# KiCad board CPU.kicad_pcb (continued)
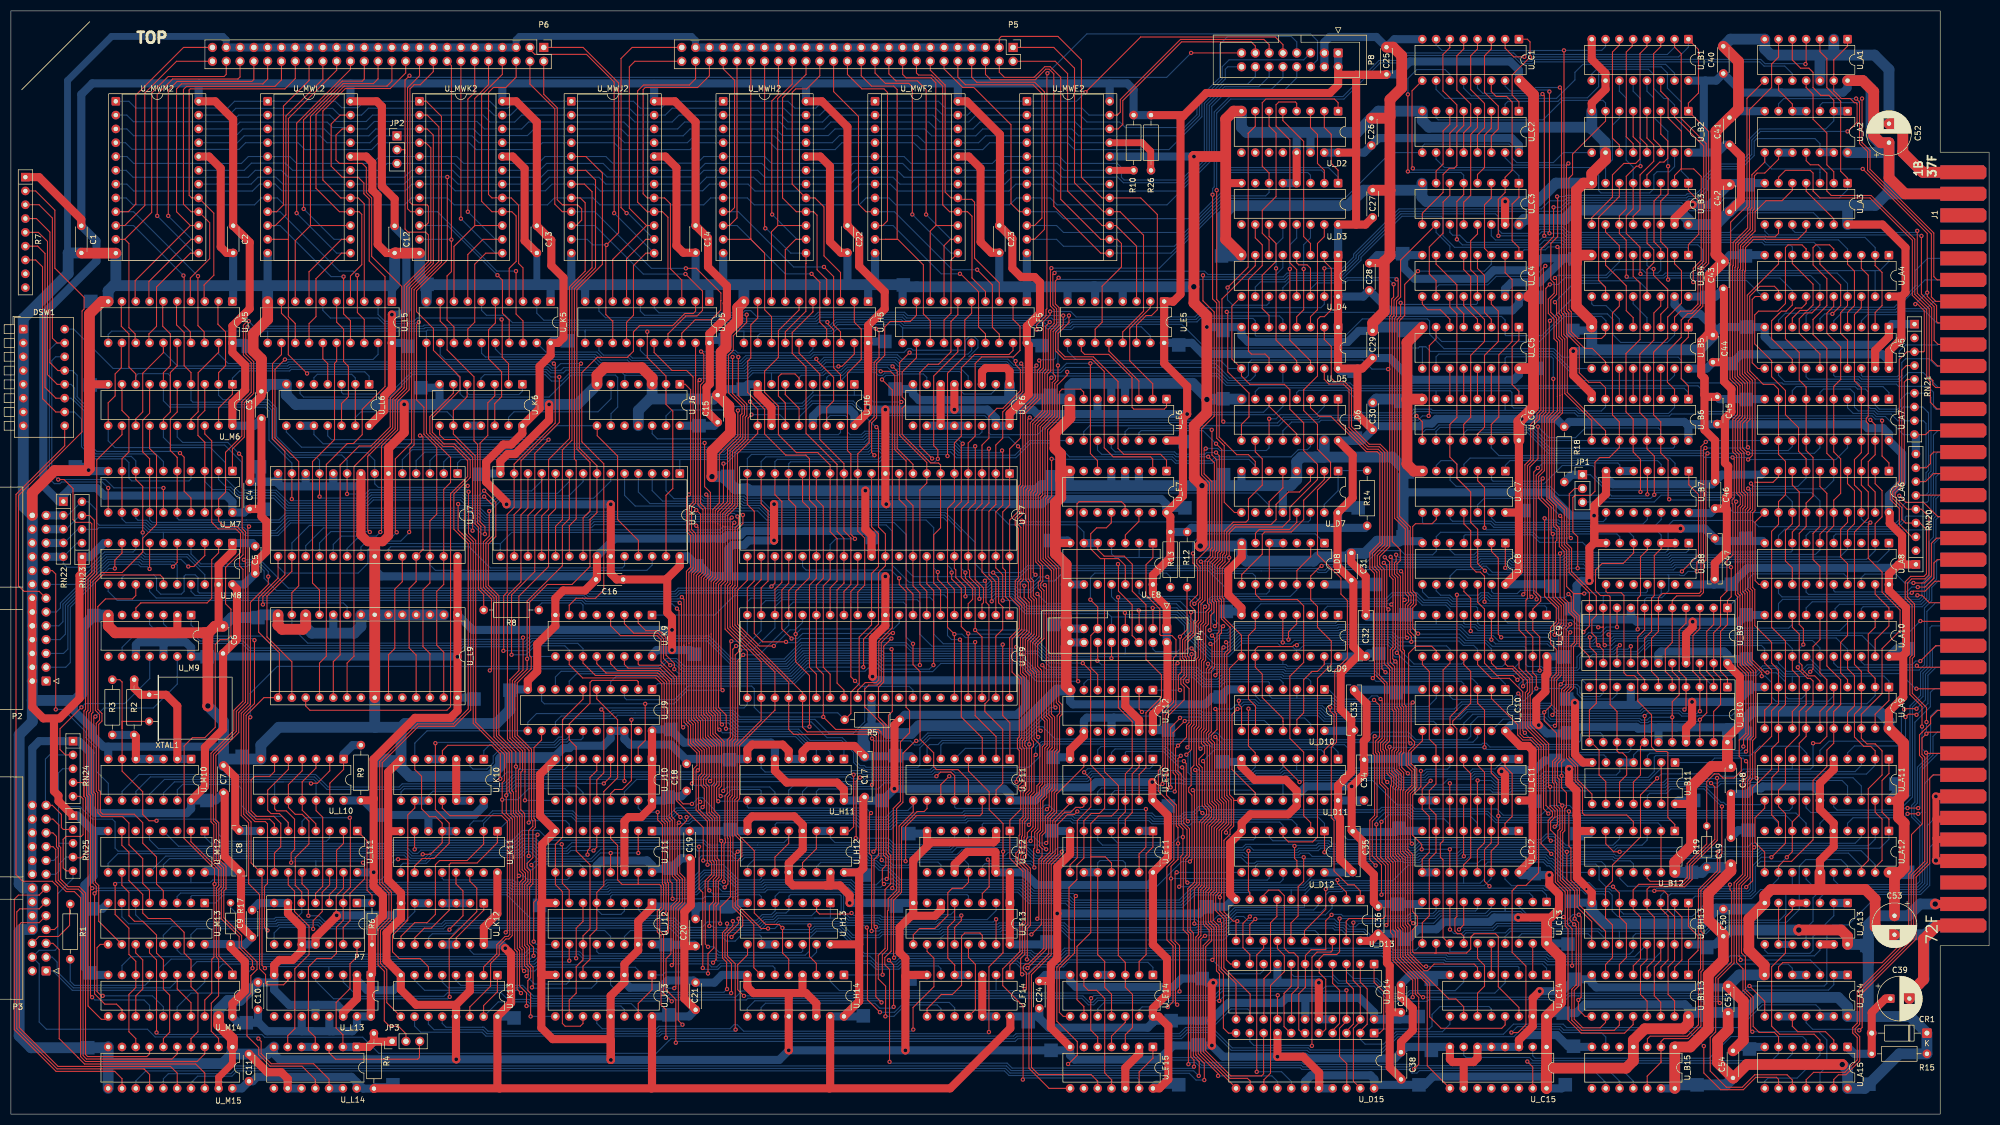
[diagram p0: board, top side]
## Placement (name value [footprint] x y rotation side) (continued)
U_L6  74LS00  [DIP-14_W7.62mm]  65.92 134.28 270 top
U_L9  AM2909  [DIP-28_W15.24mm_Socket]  82.19 91.88 270 top
U_L10  74LS74  [DIP-14_W7.62mm]  61.23 65.34 270 top
U_L11  74LS157  [DIP-16_W7.62mm]  63.73 52.09 270 top
U_L13  74LS109  [DIP-16_W7.62mm]  66.22 25.6 270 top
U_L14  74LS00  [DIP-14_W7.62mm]  63.64 12.36 270 top
U_M5  74LS377  [DIP-20_W7.62mm]  40.77 149.53 270 top
U_M6  74LS240  [DIP-20_W7.62mm]  40.77 134.29 270 top
U_M7  74LS240  [DIP-20_W7.62mm]  40.77 118.32 270 top
U_M8  74LS240  [DIP-20_W7.62mm]  40.77 105.08 270 top
U_M9  74LS74  [DIP-14_W7.62mm]  33.16 91.83 270 top
U_M10  74LS37  [DIP-14_W7.62mm]  33.16 65.34 270 top
U_M12  74LS379  [DIP-16_W7.62mm]  35.66 52.09 270 top
U_M13  74LS259  [DIP-16_W7.62mm]  35.66 38.85 270 top
U_M14  74LS240  [DIP-20_W7.62mm]  40.77 25.6 270 top
U_M15  74LS240  [DIP-20_W7.62mm]  40.77 12.36 270 top
U_MWE2  76161  [DIP-24_W15.24mm_Socket]  186.94 186.36 0 top
U_MWF2  76161  [DIP-24_W15.24mm_Socket]  159 186.36 0 top
U_MWH2  76161  [DIP-24_W15.24mm_Socket]  131.06 186.36 0 top
U_MWJ2  76161  [DIP-24_W15.24mm_Socket]  103.12 186.36 0 top
U_MWK2  76161  [DIP-24_W15.24mm_Socket]  75.18 186.36 0 top
U_MWL2  76161  [DIP-24_W15.24mm_Socket]  47.24 186.36 0 top
U_MWM2  76161  [DIP-24_W15.24mm_Socket]  19.31 186.36 0 top
XTAL1  15.000MHz  [Crystal_HC49-U_Horizontal]  25.45 72.26 90 top

## Library data of the parts
C1-C38 C40-C51 C54 = -: ki_fp_filters: C_*
C39 C52 C53 = -: ki_fp_filters: CP_*
CR1 = -: ki_fp_filters: TO-???* *_Diode_* *SingleDiode* D_*
DSW1 = -: ki_fp_filters: SW?DIP?x8*
J1 P2-P8 = -: ki_fp_filters: Connector*:*_2x??_*
JP1-JP3 = -: ki_fp_filters: Jumper* TestPoint*3Pads* TestPoint*Bridge*
R1-R6 R8-R10 R12-R15 R17-R19 R26 = -: ki_fp_filters: R_*
R7 RN20-RN25 = -: Datasheet: http://www.vishay.com/docs/31509/csc.pdf; ki_fp_filters: R?Array?SIP*
U_A1 U_B15 U_E15 U_F12 U_L10 U_M9 = -: Datasheet: 74xx/74hc_hct74.pdf; ki_fp_filters: DIP*W7.62mm*
U_A2 U_A14 = -: Datasheet: http://www.ti.com/lit/gpn/sn74LS38; ki_fp_filters: DIP*W7.62mm*
U_A3 U_A15 U_C8 U_C10 U_E12 U_E14 U_J6 = -: Datasheet: http://www.ti.com/lit/gpn/sn74LS04; ki_fp_filters: DIP*W7.62mm* SSOP?14* TSSOP?14*
U_A4 U_A6 U_A9 = -: Datasheet: http://www.ti.com/lit/ds/symlink/sn74ls244.pdf; ki_fp_filters: DIP?20*
U_A5 U_A7 U_A8 U_A10 U_M6-U_M8 U_M14 U_M15 = -: Datasheet: http://www.ti.com/lit/ds/symlink/sn74ls240.pdf; ki_fp_filters: DIP?20*
U_A13 U_M10 = -: Datasheet: http://www.ti.com/lit/gpn/sn74ls37; ki_fp_filters: DIP*W7.62mm* SO14*
U_B1 U_B2 U_B5 U_B6 U_C1 U_C2 U_C5 U_C6 U_C15 = -: Datasheet: http://www.ti.com/lit/gpn/sn74LS168; ki_fp_filters: DIP?16*
U_B3 U_B4 U_C3 U_C4 U_C14 U_D6 U_L11 = -: Datasheet: http://www.ti.com/lit/gpn/sn74LS157; ki_fp_filters: DIP?16*
U_B7 U_B8 = -: Datasheet: http://www.ti.com/lit/gpn/sn74LS30; ki_fp_filters: DIP*W7.62mm*
U_B11 U_E10 U_E11 = -: Datasheet: http://www.ti.com/lit/gpn/sn74LS10; ki_fp_filters: DIP*W7.62mm*
U_B12 U_D12 U_F14 U_K6 U_K10 U_L6 U_L14 = -: Datasheet: http://www.ti.com/lit/gpn/sn74ls00; ki_fp_filters: DIP*W7.62mm* SO14*
U_C7 U_D10 U_E8 U_K12 = -: Datasheet: http://www.ti.com/lit/gpn/sn74ls02; ki_fp_filters: SO14* DIP*W7.62mm*
U_C9 U_C13 U_F5 U_H5 U_J5 U_J9 U_K5 U_L5 U_M5 = -: Datasheet: http://www.ti.com/lit/gpn/sn74LS377; ki_fp_filters: DIP?20*
U_C11 U_C12 = -: Datasheet: http://www.ti.com/lit/gpn/sn74LS173; ki_fp_filters: DIP?16*
U_D2 = -: Datasheet: http://www.ti.com/lit/ds/symlink/sn74ls139a.pdf; ki_fp_filters: DIP?16*
U_D3 U_E6 U_E7 U_H11 U_K11 = -: Datasheet: http://www.ti.com/lit/gpn/sn74LS138; ki_fp_filters: DIP?16*
U_D4 U_D5 U_E5 U_F13 = -: Datasheet: http://www.ti.com/lit/gpn/sn74LS174; ki_fp_filters: DIP?16*
U_D8 U_H13 = -: Datasheet: http://www.ti.com/lit/gpn/sn74LS20; ki_fp_filters: DIP?12*
U_D9 U_D11 U_M12 = -: Datasheet: http://www.ti.com/lit/gpn/sn74LS379; ki_fp_filters: DIP?16*
U_D13 = -: Datasheet: http://www.ti.com/lit/gpn/sn74LS374; ki_fp_filters: DIP?20* SOIC?20* SO?20*
U_F6 U_J12 U_J13 U_K13 = -: Datasheet: http://www.ti.com/lit/gpn/sn74LS153; ki_fp_filters: DIP?16*
U_F11 U_M13 = -: Datasheet: http://www.ti.com/lit/gpn/sn74LS259; ki_fp_filters: DIP?16*
U_H6 = -: Datasheet: http://www.ti.com/lit/gpn/sn74LS253; ki_fp_filters: DIP?16*
U_H14 = -: Datasheet: http://www.ti.com/lit/gpn/sn74LS368; ki_fp_filters: DIP?16*
U_J10 U_J11 U_K9 = -: Datasheet: http://www.ti.com/lit/gpn/sn74LS151; ki_fp_filters: DIP?16*
U_L13 = -: Datasheet: http://www.ti.com/lit/gpn/sn74LS109; ki_fp_filters: DIP*W7.62mm*
XTAL1 = -: ki_fp_filters: Crystal*

## Footprints (pads in the part's own frame, mm; a bottom-side part is the same pattern mirrored in y, then rotated)
BUS_EE200
  rrect 2.6x8.5 smd far side: 1(-3.7,-2.25) 2(-7.66,-2.25) 3(-11.62,-2.25) 4(-15.58,-2.25) 5(-19.54,-2.25) 6(-23.5,-2.25) 7(-27.46,-2.25) 8(-31.42,-2.25) 9(-35.38,-2.25) 10(-39.34,-2.25) 11(-43.3,-2.25) 12(-47.26,-2.25) 13(-51.22,-2.25) 14(-55.18,-2.25) 15(-59.14,-2.25) 16(-63.1,-2.25) 17(-67.06,-2.25) 18(-71.02,-2.25) 19(-74.98,-2.25) 20(-78.94,-2.25) 21(-82.9,-2.25) 22(-86.86,-2.25) 23(-90.82,-2.25) 24(-94.78,-2.25) 25(-98.74,-2.25) 26(-102.7,-2.25) 27(-106.66,-2.25) 28(-110.62,-2.25) 29(-114.58,-2.25) 30(-118.54,-2.25) 31(-122.5,-2.25) 32(-126.46,-2.25) 33(-130.42,-2.25) 34(-134.38,-2.25) 35(-138.34,-2.25) 36(-142.3,-2.25)
  rrect 2.6x8.5 smd: 37(-3.7,-2.25) 38(-7.66,-2.25) 39(-11.62,-2.25) 40(-15.58,-2.25) 41(-19.54,-2.25) 42(-23.5,-2.25) 43(-27.46,-2.25) 44(-31.42,-2.25) 45(-35.38,-2.25) 46(-39.34,-2.25) 47(-43.3,-2.25) 48(-47.26,-2.25) 49(-51.22,-2.25) 50(-55.18,-2.25) 51(-59.14,-2.25) 52(-63.1,-2.25) 53(-67.06,-2.25) 54(-71.02,-2.25) 55(-74.98,-2.25) 56(-78.94,-2.25) 57(-82.9,-2.25) 58(-86.86,-2.25) 59(-90.82,-2.25) 60(-94.78,-2.25) 61(-98.74,-2.25) 62(-102.7,-2.25) 63(-106.66,-2.25) 64(-110.62,-2.25) 65(-114.58,-2.25) 66(-118.54,-2.25) 67(-122.5,-2.25) 68(-126.46,-2.25) 69(-130.42,-2.25) 70(-134.38,-2.25) 71(-138.34,-2.25) 72(-142.3,-2.25)
C_Disc_D4.3mm_W1.9mm_P5.00mm
  round 1.6 hole 0.8: 1(0,0) 2(5,0)
C_Rect_L9.0mm_W2.5mm_P7.50mm_MKT
  round 1.6 hole 0.8: 1(0,0) 2(7.5,0)
CP_Radial_D8.0mm_P3.50mm
  rrect 1.6x1.6 hole 0.8: 1(0,0)
  round 1.6 hole 0.8: 2(3.5,0)
Crystal_HC49-U_Horizontal
  round 1.5 hole 0.8: 1(0,0) 2(4.9,0)
D_A-405_P10.16mm_Horizontal
  rrect 1.8x1.8 hole 0.9: 1(0,0)
  round 1.8 hole 0.9: 2(10.16,0)
DIP-14_W7.62mm
  rrect 1.6x1.6 hole 0.8: 1(0,0)
  round 1.6 hole 0.8: 2(0,-2.54) 3(0,-5.08) 4(0,-7.62) 5(0,-10.16) 6(0,-12.7) 7(0,-15.24) 8(7.62,-15.24) 9(7.62,-12.7) 10(7.62,-10.16) 11(7.62,-7.62) 12(7.62,-5.08) 13(7.62,-2.54) 14(7.62,0)
DIP-14_W7.62mm_Socket
  rrect 1.6x1.6 hole 0.8: 1(0,0)
  round 1.6 hole 0.8: 2(0,-2.54) 3(0,-5.08) 4(0,-7.62) 5(0,-10.16) 6(0,-12.7) 7(0,-15.24) 8(7.62,-15.24) 9(7.62,-12.7) 10(7.62,-10.16) 11(7.62,-7.62) 12(7.62,-5.08) 13(7.62,-2.54) 14(7.62,0)
DIP-16_W7.62mm
  rrect 1.6x1.6 hole 0.8: 1(0,0)
  round 1.6 hole 0.8: 2(0,-2.54) 3(0,-5.08) 4(0,-7.62) 5(0,-10.16) 6(0,-12.7) 7(0,-15.24) 8(0,-17.78) 9(7.62,-17.78) 10(7.62,-15.24) 11(7.62,-12.7) 12(7.62,-10.16) 13(7.62,-7.62) 14(7.62,-5.08) 15(7.62,-2.54) 16(7.62,0)
DIP-20_W7.62mm
  rrect 1.6x1.6 hole 0.8: 1(0,0)
  round 1.6 hole 0.8: 2(0,-2.54) 3(0,-5.08) 4(0,-7.62) 5(0,-10.16) 6(0,-12.7) 7(0,-15.24) 8(0,-17.78) 9(0,-20.32) 10(0,-22.86) 11(7.62,-22.86) 12(7.62,-20.32) 13(7.62,-17.78) 14(7.62,-15.24) 15(7.62,-12.7) 16(7.62,-10.16) 17(7.62,-7.62) 18(7.62,-5.08) 19(7.62,-2.54) 20(7.62,0)
DIP-22_W10.16mm
  rrect 1.6x1.6 hole 0.8: 1(0,0)
  round 1.6 hole 0.8: 2(0,-2.54) 3(0,-5.08) 4(0,-7.62) 5(0,-10.16) 6(0,-12.7) 7(0,-15.24) 8(0,-17.78) 9(0,-20.32) 10(0,-22.86) 11(0,-25.4) 12(10.16,-25.4) 13(10.16,-22.86) 14(10.16,-20.32) 15(10.16,-17.78) 16(10.16,-15.24) 17(10.16,-12.7) 18(10.16,-10.16) 19(10.16,-7.62) 20(10.16,-5.08) 21(10.16,-2.54) 22(10.16,0)
DIP-22_W10.16mm_Socket
  rrect 1.6x1.6 hole 0.8: 1(0,0)
  round 1.6 hole 0.8: 2(0,-2.54) 3(0,-5.08) 4(0,-7.62) 5(0,-10.16) 6(0,-12.7) 7(0,-15.24) 8(0,-17.78) 9(0,-20.32) 10(0,-22.86) 11(0,-25.4) 12(10.16,-25.4) 13(10.16,-22.86) 14(10.16,-20.32) 15(10.16,-17.78) 16(10.16,-15.24) 17(10.16,-12.7) 18(10.16,-10.16) 19(10.16,-7.62) 20(10.16,-5.08) 21(10.16,-2.54) 22(10.16,0)
DIP-24_W15.24mm_Socket
  rrect 1.6x1.6 hole 0.8: 1(0,0)
  round 1.6 hole 0.8: 2(0,-2.54) 3(0,-5.08) 4(0,-7.62) 5(0,-10.16) 6(0,-12.7) 7(0,-15.24) 8(0,-17.78) 9(0,-20.32) 10(0,-22.86) 11(0,-25.4) 12(0,-27.94) 13(15.24,-27.94) 14(15.24,-25.4) 15(15.24,-22.86) 16(15.24,-20.32) 17(15.24,-17.78) 18(15.24,-15.24) 19(15.24,-12.7) 20(15.24,-10.16) 21(15.24,-7.62) 22(15.24,-5.08) 23(15.24,-2.54) 24(15.24,0)
DIP-28_W15.24mm_Socket
  rrect 1.6x1.6 hole 0.8: 1(0,0)
  round 1.6 hole 0.8: 2(0,-2.54) 3(0,-5.08) 4(0,-7.62) 5(0,-10.16) 6(0,-12.7) 7(0,-15.24) 8(0,-17.78) 9(0,-20.32) 10(0,-22.86) 11(0,-25.4) 12(0,-27.94) 13(0,-30.48) 14(0,-33.02) 15(15.24,-33.02) 16(15.24,-30.48) 17(15.24,-27.94) 18(15.24,-25.4) 19(15.24,-22.86) 20(15.24,-20.32) 21(15.24,-17.78) 22(15.24,-15.24) 23(15.24,-12.7) 24(15.24,-10.16) 25(15.24,-7.62) 26(15.24,-5.08) 27(15.24,-2.54) 28(15.24,0)
DIP-40_W15.24mm_Socket
  rrect 1.6x1.6 hole 0.8: 1(0,0)
  round 1.6 hole 0.8: 2(0,-2.54) 3(0,-5.08) 4(0,-7.62) 5(0,-10.16) 6(0,-12.7) 7(0,-15.24) 8(0,-17.78) 9(0,-20.32) 10(0,-22.86) 11(0,-25.4) 12(0,-27.94) 13(0,-30.48) 14(0,-33.02) 15(0,-35.56) 16(0,-38.1) 17(0,-40.64) 18(0,-43.18) 19(0,-45.72) 20(0,-48.26) 21(15.24,-48.26) 22(15.24,-45.72) 23(15.24,-43.18) 24(15.24,-40.64) 25(15.24,-38.1) 26(15.24,-35.56) 27(15.24,-33.02) 28(15.24,-30.48) 29(15.24,-27.94) 30(15.24,-25.4) 31(15.24,-22.86) 32(15.24,-20.32) 33(15.24,-17.78) 34(15.24,-15.24) 35(15.24,-12.7) 36(15.24,-10.16) 37(15.24,-7.62) 38(15.24,-5.08) 39(15.24,-2.54) 40(15.24,0)
IDC-Header_2x08_P2.54mm_Vertical
  rrect 1.7x1.7 hole 1: 1(0,0)
  round 1.7 hole 1: 2(2.54,0) 3(0,-2.54) 4(2.54,-2.54) 5(0,-5.08) 6(2.54,-5.08) 7(0,-7.62) 8(2.54,-7.62) 9(0,-10.16) 10(2.54,-10.16) 11(0,-12.7) 12(2.54,-12.7) 13(0,-15.24) 14(2.54,-15.24) 15(0,-17.78) 16(2.54,-17.78)
IDC-Header_2x13_P2.54mm_Horizontal
  rrect 1.7x1.7 hole 1: 1(0,0)
  round 1.7 hole 1: 2(2.54,0) 3(0,-2.54) 4(2.54,-2.54) 5(0,-5.08) 6(2.54,-5.08) 7(0,-7.62) 8(2.54,-7.62) 9(0,-10.16) 10(2.54,-10.16) 11(0,-12.7) 12(2.54,-12.7) 13(0,-15.24) 14(2.54,-15.24) 15(0,-17.78) 16(2.54,-17.78) 17(0,-20.32) 18(2.54,-20.32) 19(0,-22.86) 20(2.54,-22.86) 21(0,-25.4) 22(2.54,-25.4) 23(0,-27.94) 24(2.54,-27.94) 25(0,-30.48) 26(2.54,-30.48)
PinHeader_1x03_P2.54mm_Vertical
  rect 1.7x1.7 hole 1: 1(0,0)
  round 1.7 hole 1: 2(0,-2.54) 3(0,-5.08)
PinHeader_2x25_P2.54mm_Vertical
  rect 1.7x1.7 hole 1: 1(0,0)
  round 1.7 hole 1: 2(2.54,0) 3(0,-2.54) 4(2.54,-2.54) 5(0,-5.08) 6(2.54,-5.08) 7(0,-7.62) 8(2.54,-7.62) 9(0,-10.16) 10(2.54,-10.16) 11(0,-12.7) 12(2.54,-12.7) 13(0,-15.24) 14(2.54,-15.24) 15(0,-17.78) 16(2.54,-17.78) 17(0,-20.32) 18(2.54,-20.32) 19(0,-22.86) 20(2.54,-22.86) 21(0,-25.4) 22(2.54,-25.4) 23(0,-27.94) 24(2.54,-27.94) 25(0,-30.48) 26(2.54,-30.48) 27(0,-33.02) 28(2.54,-33.02) 29(0,-35.56) 30(2.54,-35.56) 31(0,-38.1) 32(2.54,-38.1) 33(0,-40.64) 34(2.54,-40.64) 35(0,-43.18) 36(2.54,-43.18) 37(0,-45.72) 38(2.54,-45.72) 39(0,-48.26) 40(2.54,-48.26) 41(0,-50.8) 42(2.54,-50.8) 43(0,-53.34) 44(2.54,-53.34) 45(0,-55.88) 46(2.54,-55.88) 47(0,-58.42) 48(2.54,-58.42) 49(0,-60.96) 50(2.54,-60.96)
R_Array_SIP5
  rect 1.6x1.6 hole 0.8: 1(0,0)
  round 1.6 hole 0.8: 2(2.54,0) 3(5.08,0) 4(7.62,0) 5(10.16,0)
R_Array_SIP9
  rect 1.6x1.6 hole 0.8: 1(0,0)
  round 1.6 hole 0.8: 2(2.54,0) 3(5.08,0) 4(7.62,0) 5(10.16,0) 6(12.7,0) 7(15.24,0) 8(17.78,0) 9(20.32,0)
R_Axial_DIN0204_L3.6mm_D1.6mm_P7.62mm_Horizontal
  round 1.4 hole 0.7: 1(0,0) 2(7.62,0)
R_Axial_DIN0207_L6.3mm_D2.5mm_P10.16mm_Horizontal
  round 1.6 hole 0.8: 1(0,0) 2(10.16,0)
SW_DIP_SPSTx08_Piano_10.8x21.88mm_W7.62mm_P2.54mm
  rrect 1.6x1.6 hole 0.8: 1(0,0)
  round 1.6 hole 0.8: 2(0,-2.54) 3(0,-5.08) 4(0,-7.62) 5(0,-10.16) 6(0,-12.7) 7(0,-15.24) 8(0,-17.78) 9(7.62,-17.78) 10(7.62,-15.24) 11(7.62,-12.7) 12(7.62,-10.16) 13(7.62,-7.62) 14(7.62,-5.08) 15(7.62,-2.54) 16(7.62,0)
TestPoint_Pad_2.5x2.5mm
  rect 2.5x2.5 smd: 1(0,0)

## Nets
+5V: +5V.1 +5V#2.1 +5V#3.1 +5V#4.1 +5V#5.1 +5V#6.1 +5V#7.1 +5V#8.1 +5V#9.1 +5V#10.1 +5V#11.1 +5V#12.1 +5V#13.1 +5V#14.1 +5V#15.1 +5V#16.1 +5V#17.1 +5V#18.1 +5V#19.1 +5V#20.1 +5V#21.1 +5V#22.1 +5V#23.1 +5V#24.1 +5V#25.1 +5V#26.1 +5V#27.1 +5V#28.1 +5V#29.1 +5V#30.1 +5V#31.1 +5V#32.1 +5V#33.1 +5V#34.1 +5V#35.1 +5V#36.1 +5V#37.1 +5V#38.1 +5V#39.1 +5V#40.1 +5V#41.1 +5V#42.1 +5V#43.1 +5V#44.1 +5V#45.1 +5V#46.1 +5V#47.1 +5V#48.1 +5V#49.1 +5V#50.1 +5V#51.1 +5V#52.1 +5V#53.1 +5V#54.1 +5V#55.1 +5V#56.1 +5V#57.1 +5V#58.1 +5V#59.1 +5V#60.1 +5V#61.1 +5V#62.1 +5V#63.1 +5V#64.1 +5V#65.1 +5V#66.1 +5V#67.1 +5V#68.1 C1.1 C2.1 C3.1 C4.1 C5.1 C6.1 C7.1 C8.1 C9.1 C10.1 C11.1 C12.1 C13.1 C14.1 C15.1 C16.1 C17.1 C18.1 C19.1 C20.1 C21.1 C22.1 C23.1 C24.1 C25.1 C26.1 C27.1 C28.1 C29.1 C30.1 C31.1 C32.1 C33.1 C34.1 C35.1 C36.1 C37.1 C38.1 C40.1 C41.1 C42.1 C43.1 C44.1 C45.1 C46.1 C47.1 C48.1 C49.1 C50.1 C51.1 C52.1 C53.1 C54.1 CR1.1 J1.2 J1.35 J1.38 J1.71 P3.16 P3.18 P3.20 P3.22 P3.24 P3.26 P4.1 P4.2 P8.1 P8.2 R4.1 R5.1 R6.1 R7.1 R9.2 R10.1 R12.1 R13.1 R14.2 R15.1 R17.2 R18.1 R19.1 R26.1 REF**.1 REF**#3.1 RN20.1 RN22.1 RN24.1 U_A1.14 U_A2.14 U_A3.14 U_A4.20 U_A5.20 U_A6.20 U_A7.20 U_A8.20 U_A9.20 U_A10.20 U_A11.20 U_A12.20 U_A13.14 U_A14.14 U_A15.14 U_B1.16 U_B2.16 U_B3.16 U_B4.16 U_B5.16 U_B6.16 U_B7.14 U_B8.14 U_B9.17 U_B9.22 U_B10.17 U_B10.22 U_B11.14 U_B12.14 U_B15.1 U_B15.4 U_B15.13 U_B15.14 U_BH13.16 U_BL13.16 U_C1.16 U_C2.16 U_C3.16 U_C4.16 U_C5.16 U_C6.16 U_C7.14 U_C8.14 U_C9.20 U_C10.14 U_C11.16 U_C12.16 U_C13.20 U_C14.16 U_C15.1 U_C15.16 U_D2.15 U_D2.16 U_D3.16 U_D4.1 U_D4.16 U_D5.1 U_D5.16 U_D6.16 U_D7.16 U_D8.14 U_D9.16 U_D10.14 U_D11.16 U_D12.14 U_D13.20 U_D14.17 U_D14.22 U_D15.17 U_D15.22 U_E5.1 U_E5.16 U_E6.6 U_E6.16 U_E7.16 U_E8.14 U_E10.14 U_E11.14 U_E12.14 U_E14.14 U_E15.14 U_F5.20 U_F6.5 U_F6.15 U_F6.16 U_F7.10 U_F9.10 U_F11.16 U_F12.10 U_F12.13 U_F12.14 U_F13.1 U_F13.16 U_F14.14 U_H5.20 U_H6.13 U_H6.16 U_H11.6 U_H11.16 U_H12.16 U_H13.14 U_H14.15 U_H14.16 U_J5.20 U_J6.14 U_J7.28 U_J9.20 U_J10.1 U_J10.16 U_J11.3 U_J11.12 U_J11.14 U_J11.16 U_J12.16 U_J13.16 U_K5.20 U_K6.14 U_K7.23 U_K7.28 U_K9.16 U_K10.14 U_K11.6 U_K11.16 U_K12.14 U_K13.16 U_L5.20 U_L6.14 U_L9.1 U_L9.28 U_L10.14 U_L11.16 U_L13.1 U_L13.11 U_L13.13 U_L13.15 U_L13.16 U_L14.14 U_M5.20 U_M6.20 U_M7.20 U_M8.20 U_M9.10 U_M9.12 U_M9.14 U_M10.14 U_M12.16 U_M13.16 U_M14.20 U_M15.20 U_MWE2.24 U_MWF2.24 U_MWH2.24 U_MWJ2.24 U_MWK2.24 U_MWL2.24 U_MWM2.24
+12V: J1.39
-12V: J1.70
GND: C1.2 C2.2 C3.2 C4.2 C5.2 C6.2 C7.2 C8.2 C9.2 C10.2 C11.2 C12.2 C13.2 C14.2 C15.2 C16.2 C17.2 C18.2 C19.2 C20.2 C21.2 C22.2 C23.2 C24.2 C25.2 C26.2 C27.2 C28.2 C29.2 C30.2 C31.2 C32.2 C33.2 C34.2 C35.2 C36.2 C37.2 C38.2 C39.2 C40.2 C41.2 C42.2 C43.2 C44.2 C45.2 C46.2 C47.2 C48.2 C49.2 C50.2 C51.2 C52.2 C53.2 C54.2 DSW1.1 DSW1.2 DSW1.3 DSW1.4 DSW1.5 DSW1.6 DSW1.7 DSW1.8 GND.1 GND#2.1 GND#3.1 GND#4.1 GND#5.1 GND#6.1 GND#7.1 GND#8.1 GND#9.1 GND#10.1 GND#11.1 GND#12.1 GND#13.1 GND#14.1 GND#15.1 GND#16.1 GND#17.1 GND#18.1 GND#19.1 GND#20.1 GND#21.1 GND#22.1 GND#23.1 GND#24.1 GND#25.1 GND#26.1 GND#27.1 GND#28.1 GND#29.1 GND#30.1 GND#31.1 GND#32.1 GND#33.1 GND#34.1 GND#35.1 GND#36.1 GND#37.1 GND#38.1 GND#39.1 GND#40.1 GND#41.1 GND#42.1 GND#43.1 GND#44.1 GND#45.1 GND#46.1 GND#47.1 GND#48.1 GND#49.1 GND#50.1 GND#51.1 GND#52.1 GND#53.1 GND#54.1 GND#55.1 GND#56.1 GND#57.1 GND#58.1 GND#59.1 GND#60.1 GND#61.1 GND#62.1 GND#63.1 GND#64.1 GND#65.1 GND#66.1 GND#67.1 GND#68.1 GND#69.1 GND#70.1 GND#71.1 GND#72.1 GND#73.1 GND#74.1 J1.1 J1.36 J1.37 J1.72 P2.2 P2.4 P2.6 P2.8 P2.10 P2.12 P2.14 P2.16 P2.18 P2.20 P2.22 P2.24 P2.26 P3.8 P3.10 P3.12 P3.14 P4.13 P4.14 P4.15 P4.16 P5.5 P5.7 P5.9 P5.11 P5.13 P5.15 P5.17 P5.19 P5.21 P5.23 P5.25 P5.27 P5.29 P5.31 P5.33 P5.35 P5.37 P5.39 P5.41 P5.43 P5.45 P5.47 P6.5 P6.7 P6.9 P6.11 P6.13 P6.15 P6.17 P6.19 P6.21 P6.23 P6.25 P6.27 P6.29 P6.31 P6.33 P6.35 P6.37 P6.39 P6.41 P6.43 P6.45 P6.47 P7.6 P7.7 P7.10 P7.11 P8.3 P8.4 REF**#2.1 RN21.1 RN23.1 RN25.1 U_A1.2 U_A1.7 U_A1.12 U_A2.7 U_A3.7 U_A4.10 U_A5.1 U_A5.10 U_A5.19 U_A6.10 U_A7.10 U_A8.10 U_A9.10 U_A10.10 U_A11.5 U_A11.15 U_A12.5 U_A12.15 U_A13.7 U_A14.7 U_A15.7 U_B1.8 U_B1.10 U_B2.8 U_B2.10 U_B3.8 U_B3.15 U_B4.8 U_B4.15 U_B5.8 U_B6.8 U_B7.7 U_B8.7 U_B9.8 U_B9.19 U_B10.8 U_B10.19 U_B11.7 U_B12.7 U_B15.7 U_BH13.8 U_BL13.8 U_C1.8 U_C2.8 U_C3.8 U_C3.15 U_C4.8 U_C4.15 U_C5.8 U_C6.8 U_C7.7 U_C8.7 U_C9.10 U_C10.7 U_C11.8 U_C11.15 U_C12.8 U_C12.15 U_C13.10 U_C14.8 U_C14.15 U_C15.3 U_C15.4 U_C15.5 U_C15.6 U_C15.8 U_C15.10 U_D2.8 U_D2.13 U_D2.14 U_D3.4 U_D3.5 U_D3.8 U_D4.8 U_D5.8 U_D6.8 U_D6.15 U_D7.4 U_D7.8 U_D7.12 U_D8.7 U_D9.8 U_D10.7 U_D11.8 U_D11.13 U_D12.7 U_D13.10 U_D14.8 U_D14.18 U_D14.19 U_D15.8 U_D15.18 U_D15.19 U_E5.4 U_E5.6 U_E5.8 U_E6.4 U_E6.5 U_E6.8 U_E7.3 U_E7.4 U_E7.5 U_E7.8 U_E8.7 U_E8.8 U_E8.9 U_E10.7 U_E11.7 U_E12.3 U_E12.7 U_E12.9 U_E12.11 U_E12.13 U_E14.7 U_E15.2 U_E15.7 U_E15.12 U_F5.1 U_F5.10 U_F6.1 U_F6.3 U_F6.6 U_F6.8 U_F6.10 U_F6.11 U_F6.12 U_F6.13 U_F7.30 U_F9.30 U_F11.8 U_F12.2 U_F12.7 U_F13.6 U_F13.8 U_F14.7 U_H5.1 U_H5.10 U_H6.8 U_H6.10 U_H11.4 U_H11.5 U_H11.8 U_H12.4 U_H12.8 U_H12.12 U_H12.15 U_H13.7 U_H14.4 U_H14.8 U_H14.12 U_H14.14 U_J5.1 U_J5.10 U_J6.3 U_J6.7 U_J6.11 U_J7.6 U_J7.8 U_J7.10 U_J7.12 U_J7.14 U_J7.22 U_J9.10 U_J9.17 U_J9.18 U_J10.8 U_J11.1 U_J11.8 U_J12.1 U_J12.8 U_J12.15 U_J13.3 U_J13.8 U_J13.13 U_K5.1 U_K5.10 U_K6.7 U_K7.14 U_K7.22 U_K9.8 U_K10.7 U_K11.8 U_K12.7 U_K13.3 U_K13.8 U_K13.13 U_L5.1 U_L5.10 U_L6.7 U_L9.2 U_L9.3 U_L9.4 U_L9.5 U_L9.6 U_L9.7 U_L9.8 U_L9.10 U_L9.12 U_L9.14 U_L9.22 U_L10.7 U_L11.8 U_L11.15 U_L13.2 U_L13.8 U_L13.12 U_L13.14 U_L14.7 U_L14.9 U_L14.10 U_M5.1 U_M5.10 U_M6.10 U_M7.10 U_M8.1 U_M8.10 U_M8.19 U_M9.2 U_M9.7 U_M10.7 U_M12.8 U_M13.8 U_M14.10 U_M14.19 U_M15.1 U_M15.10 U_M15.11 U_M15.19 U_MWE2.12 U_MWE2.20 U_MWF2.12 U_MWF2.20 U_MWH2.12 U_MWH2.20 U_MWJ2.12 U_MWJ2.20 U_MWK2.12 U_MWK2.20 U_MWL2.12 U_MWL2.20 U_MWM2.12 U_MWM2.20
/Addr U/D: U_B1.1 U_B2.1 U_B5.1 U_B6.1 U_C1.1 U_C2.1 U_C5.1 U_C6.1 U_F11.7
/Addr_Clock: U_D6.2 U_D6.11 U_H12.9
/AFL.CARRY: U_F6.4 U_H6.5 U_H6.11 U_J9.9 U_J10.2
/AFL.HALFC: U_J9.12 U_J13.5
/AFL.LZERO: U_J9.15 U_K10.2
/AFL.OVER: U_J9.6 U_J11.9 U_J13.11
/AFL.SIGN: U_J9.5 U_J12.3 U_J12.5 U_J13.6
/AFL.ZERO: U_J9.2 U_J9.14 U_J12.11 U_J13.10 U_K10.1
/ALU.CARRY: U_F7.33 U_H6.3 U_J9.8
/ALU.CARRY_IN: U_F6.7 U_F9.29
/ALU.HALFC: U_F7.29 U_F9.33 U_J9.13
/ALU.OVER: U_F7.34 U_J9.7
/ALU.SHIFT_Q0: U_F9.21 U_H6.4 U_H6.9 U_J10.12
/ALU.SHIFT_RAM0_Q7: U_F7.16 U_F9.9 U_J10.13
/ALU.SHIFT_RAM7: U_F7.8 U_H6.7 U_J10.14
/ALU.SIGN: U_F7.31 U_H6.6 U_H6.12 U_J9.4
/ALU.ZERO: R5.2 U_F7.11 U_F9.11 U_J9.3
/BeginRead: U_D7.14 U_H11.14
/BeginWrite: U_C10.9 U_H11.13
/BUS_FORCE_READY: U_A14.1 U_A14.2 U_E15.5
/BUS_TIMEOUT: U_A2.9 U_A2.10 U_A15.6 U_C15.7
/BusCycleEnd: U_E7.12 U_E8.12 U_E11.11 U_E14.9
/CCR.CARRY: U_J10.4 U_K10.9 U_K10.10 U_K13.6 U_M12.15 U_M14.8 U_M15.8
/CCR.OVER: U_J11.2 U_J11.13 U_M12.10 U_M14.6 U_M15.6
/CCR.SIGN: U_J12.6 U_M12.7 U_M14.4 U_M15.4
/CCR.ZERO: U_J12.10 U_M12.2 U_M14.2 U_M15.2
/CondCycle: U_F12.9 U_K9.4
/CondDMARequest: U_F14.6 U_K9.14
/CondMemFault: U_B15.6 U_K9.13
/CondMultiINT: U_H13.6 U_K9.12
/CondRegOrPageOut: U_B12.11 U_D12.1 U_K9.15
/CondRIR_{0NOR4}: U_D10.4 U_K9.3
/CondRIR_{0}: U_C13.2 U_D10.3 U_D10.5 U_K9.2
/CPL_Disable: U_A8.1 U_E12.6
/CPL_{0}: U_A6.2 U_A8.2 U_C14.13 U_D9.2
/CPL_{1}: U_A6.4 U_A8.4 U_C14.10 U_D9.7 U_D10.9
/CPL_{2}: U_A6.6 U_A8.6 U_C14.6 U_D9.15 U_D10.12
/CPL_{3}: U_A6.8 U_A8.8 U_C14.3 U_D9.10 U_D10.11
/DataRDCycle: U_A1.5 U_A2.1 U_A2.2 U_B12.4
/DataWTClock: U_A11.19 U_A12.19 U_E15.10 U_K11.7
/DMA.Write: P2.21 RN22.4 RN23.3 U_D8.9 U_D12.2 U_M8.6
/DMA.~{AddressControl}: P2.3 U_M8.9
/DMA.~{BusReadReady}: P2.15 U_M8.18
/DMA.~{BusWriteOE}: P2.17 U_M10.8
/DMA.~{Enable}: P2.11 U_M8.3
/DMA.~{End}: P2.9 U_M8.16
/DMA.~{INTRequest}: P2.23 RN22.3 RN23.4 U_M14.11
/DMA.~{Request}: P2.25 RN22.2 RN23.5 U_F13.4
/DMA.~{StartCycle}: P2.19 RN22.5 RN23.2 U_M8.8
/DMAAddressControl: U_B15.10 U_D6.1 U_F11.9 U_M8.11
/DMAEnable: U_E11.13 U_F11.12 U_M8.17
/DMAINTRequest: U_E10.9 U_M14.9
/DMARead: U_D8.1 U_D12.13 U_E11.4 U_M8.14
/DMAStartCycle: U_D8.4 U_D8.5 U_D8.10 U_M8.12
/F13_D_{3}: U_E10.6 U_F13.11
/INT_ACK: U_A14.12 U_A14.13 U_M13.12
/INT_ENABLE: U_B12.9 U_C10.5 U_F11.4 U_K13.10
/J13_12: U_B8.8 U_B12.1 U_J13.12
/K7_OR_{0}: U_J13.7 U_K7.12
/K7_OR_{1}: U_J13.9 U_K7.10
/K7_OR_{2}: U_K7.8 U_K13.9
/K7_OR_{3}: U_K7.6 U_K13.7
/K7_S_{0}: U_K7.16 U_L6.3
/K7_S_{1}: U_K7.17 U_L6.11
/L13_~{K}: U_D12.8 U_L13.3
/M10C_a: U_D8.2 U_D8.12 U_D12.10 U_E8.11 U_E11.5 U_E14.10 U_H12.1 U_M10.9
/M10C_b: U_F12.5 U_M10.10
/MainClockPhi1: U_C10.1 U_L11.7
/MainClockPhi3: U_K12.5 U_K12.6 U_L11.12
/MemAddr_LD_SWAP: U_B1.9 U_B3.1 U_B4.1 U_B6.9 U_C1.9 U_C3.1 U_C4.1 U_C6.9 U_E6.10
/MemFault_EN: U_B11.2 U_B11.13 U_F11.11
/MWR.A6_{0}: P6.20 U_K5.18 U_MWK2.9
/MWR.A6_{1}: P6.18 U_K5.17 U_MWK2.10
/MWR.A6_{2}: P6.16 U_K5.13 U_MWK2.11
/MWR.A6_{3}: P6.14 U_K5.14 U_MWK2.13
/MWR.A6_{4}: P6.12 U_K5.7 U_MWK2.14
/MWR.A6_{5}: P6.10 U_K5.8 U_MWK2.15
/MWR.A6_{6}: P6.8 U_K5.4 U_MWK2.16
/MWR.A6_{7}: P6.6 U_K5.3 U_MWK2.17
/MWR.B5_{0}: P5.28 U_F5.18 U_MWF2.9
/MWR.B5_{1}: P5.26 U_F5.17 U_MWF2.10
/MWR.B5_{2}: P5.24 U_F5.13 U_MWF2.11
/MWR.B5_{3}: P5.22 U_F5.14 U_MWF2.13
/MWR.B5_{4}: P5.20 U_F5.7 U_MWF2.14
/MWR.B5_{5}: P5.18 U_F5.8 U_MWF2.15
/MWR.B5_{6}: P5.16 U_F5.4 U_MWF2.16
/MWR.B5_{7}: P5.14 U_F5.3 U_MWF2.17
/MWR.C4_{0}: P5.44 U_H5.18 U_MWH2.9
/MWR.C4_{1}: P5.42 U_H5.17 U_MWH2.10
/MWR.C4_{2}: P5.40 U_H5.13 U_MWH2.11
/MWR.C4_{3}: P5.38 U_H5.14 U_MWH2.13
/MWR.C4_{4}: P5.36 U_H5.7 U_MWH2.14
/MWR.C4_{5}: P5.34 U_H5.8 U_MWH2.15
/MWR.C4_{6}: P5.32 U_H5.4 U_MWH2.16
/MWR.C4_{7}: P5.30 U_H5.3 U_MWH2.17
/MWR.D3_{0}: P6.36 U_L5.18 U_MWL2.9
/MWR.D3_{1}: P6.34 U_L5.17 U_MWL2.10
/MWR.D3_{2}: P6.32 U_L5.13 U_MWL2.11
/MWR.D3_{3}: P6.30 U_L5.14 U_MWL2.13
/MWR.D3_{4}: P6.28 U_L5.7 U_MWL2.14
/MWR.D3_{5}: P6.26 U_L5.8 U_MWL2.15
/MWR.D3_{6}: P6.24 U_L5.4 U_MWL2.16
/MWR.D3_{7}: P6.22 U_L5.3 U_MWL2.17
/MWR.E2_{0}: P6.49 U_M5.18 U_MWM2.9
/MWR.E2_{1}: P6.50 U_M5.17 U_MWM2.10
/MWR.E2_{2}: P6.48 U_M5.13 U_MWM2.11
/MWR.E2_{3}: P6.46 U_M5.14 U_MWM2.13
/MWR.E2_{4}: P6.44 U_M5.7 U_MWM2.14
/MWR.E2_{5}: P6.42 U_M5.8 U_MWM2.15
/MWR.E2_{6}: P6.40 U_M5.4 U_MWM2.16
/MWR.E2_{7}: P6.38 U_M5.3 U_MWM2.17
/MWR.F1_{0}: P6.4 U_J5.18 U_MWJ2.9
/MWR.F1_{1}: P6.2 U_J5.17 U_MWJ2.10
/MWR.F1_{2}: P6.1 U_J5.13 U_MWJ2.11
/MWR.F1_{3}: P6.3 U_J5.14 U_MWJ2.13
/MWR.F1_{4}: P5.49 U_J5.7 U_MWJ2.14
/MWR.F1_{5}: P5.50 U_J5.8 U_MWJ2.15
/MWR.F1_{6}: P5.48 U_J5.4 U_MWJ2.16
/MWR.F1_{7}: P5.46 U_J5.3 U_MWJ2.17
/MWR.H0_{0}: P5.12 U_D2.2 U_D3.1 U_MWE2.9
/MWR.H0_{1}: P5.10 U_D2.3 U_D3.2 U_MWE2.10
/MWR.H0_{2}: P5.8 U_D3.3 U_MWE2.11
/MWR.H0_{3}: P5.6 U_D2.1 U_D3.6 U_MWE2.13
/MWR.H0_{4}: P5.4 U_E5.11 U_MWE2.14
/MWR.H0_{5}: P5.2 U_E5.3 U_MWE2.15
/MWR.H0_{6}: P5.1 U_E5.13 U_MWE2.16
/MWR.H0_{7}: P5.3 U_E5.14 U_MWE2.17
/MWROMEN: JP3.1 P7.14 R4.2 U_L14.1 U_L14.2
/Page.B_{0}: U_B9.4 U_B10.4 U_D11.10 U_M15.13
/Page.B_{1}: U_B9.3 U_B10.3 U_D11.7 U_M15.15
/Page.B_{2}: U_B9.2 U_B10.2 U_D11.2 U_M15.17
/ParitySelect: U_A13.12 U_A13.13 U_F11.10
/PROM_Disable: U_BH13.14 U_BL13.14 U_M13.7
/PTR.Q_{0}: U_A9.11 U_A10.11 U_B8.2 U_B8.3 U_B9.16 U_C7.8
/PTR.Q_{1}: U_A9.13 U_A10.13 U_B9.14 U_C7.9
/PTR.Q_{2}: U_A9.15 U_A10.15 U_B8.11 U_B9.12 U_C7.12
/PTR.Q_{3}: U_A9.17 U_A10.17 U_B8.12 U_B9.10 U_C7.11
/PTR.Q_{4}: U_A9.2 U_A10.2 U_B8.6 U_B10.16 U_B11.11 U_C7.2
/PTR.Q_{5}: U_A9.4 U_A10.4 U_B8.5 U_B10.14 U_B11.10 U_C7.3
/PTR.Q_{6}: U_A9.6 U_A10.8 U_B8.4 U_B10.12 U_B11.9 U_C8.11
/PTR.Q_{7}: U_A14.4 U_A14.5 U_B8.1 U_B10.10 U_C8.5 U_H14.10
/PTR.~{Q_{7}}: JP1.2 U_C8.6 U_D8.13 U_D12.4 U_J13.4
/REG_MMIO: U_B12.3 U_D12.12 U_K9.1
/RTC_INT: U_F14.9 U_M9.9
/RTC_INT_EN: U_F14.10 U_M13.6
/SW_1: DSW1.13 R7.4 U_M7.17
/SW_2: DSW1.14 P3.15 RN24.4 RN25.4 U_M7.15
/SW_3: DSW1.15 R7.3 U_M7.11
/SW_H: DSW1.11 R7.6 U_F14.1 U_M7.8
/SW_I: DSW1.10 R7.7 U_M7.4
/SW_O: DSW1.9 P3.7
/SW_R: DSW1.12 R7.5 U_M7.6
/Sys.5MHz: J1.31 U_A13.3
/Sys.Reset: DSW1.16 J1.32 U_A14.8 U_D4.4 U_D4.14 U_E7.6
/Sys.~{A_{0}}: J1.5 U_A5.9
/Sys.~{A_{1}}: J1.6 U_A5.7
/Sys.~{A_{2}}: J1.7 U_A5.5
/Sys.~{A_{3}}: J1.8 U_A5.3
/Sys.~{A_{4}}: J1.9 U_A5.18
/Sys.~{A_{5}}: J1.10 U_A5.16
/Sys.~{A_{6}}: J1.11 U_A5.14
/Sys.~{A_{7}}: J1.12 U_A5.12
/Sys.~{A_{8}}: J1.13 U_A8.9
/Sys.~{A_{9}}: J1.14 U_A8.7
/Sys.~{A_{10}}: J1.15 U_A8.5
/Sys.~{APRE}: J1.47 U_A2.11
/Sys.~{CA_{15}}: J1.20 U_A10.14
/Sys.~{CPL_{0}}: J1.54 U_A8.18
/Sys.~{CPL_{1}}: J1.55 U_A8.16
/Sys.~{CPL_{2}}: J1.56 U_A8.14
/Sys.~{CPL_{3}}: J1.57 U_A8.12
/Sys.~{D_{0}}: J1.21 U_A11.16
/Sys.~{D_{1}}: J1.22 U_A11.14
/Sys.~{D_{2}}: J1.23 U_A11.6
/Sys.~{D_{3}}: J1.24 U_A11.4
/Sys.~{D_{4}}: J1.25 U_A12.16
/Sys.~{D_{5}}: J1.26 U_A12.14
/Sys.~{D_{6}}: J1.27 U_A12.6
/Sys.~{D_{7}}: J1.28 U_A12.4
/Sys.~{DRDY}: J1.44 RN20.3 RN21.3 U_A2.8 U_A3.3 U_A14.3
/Sys.~{INR0}: J1.52 RN20.6 RN21.6 U_A7.2
/Sys.~{INR1}: J1.49 RN20.9 RN21.9 U_A7.4
/Sys.~{INR2}: J1.50 RN20.8 RN21.8 U_A7.6
/Sys.~{INR3}: J1.51 RN20.7 RN21.7 U_A7.8
/Sys.~{INTACK}: J1.65 U_A14.11
/Sys.~{INTREQ}: J1.63 RN20.5 RN21.5 U_A15.11
/Sys.~{MemFault}: J1.64 RN20.4 RN21.4 U_A15.13
/Sys.~{PA_{11}}: J1.16 U_A10.9
/Sys.~{PA_{12}}: J1.17 U_A10.7
/Sys.~{PA_{13}}: J1.18 U_A10.5
/Sys.~{PA_{14}}: J1.19 U_A10.3
/Sys.~{PA_{15}}: J1.59 U_A10.18
/Sys.~{PA_{16}}: J1.60 U_A10.16
/Sys.~{PA_{17}}: J1.61 U_A10.12
/Sys.~{ParityTest}: J1.29 U_A13.11
/Sys.~{PTR7_oc}: J1.62 U_A14.6
/Sys.~{RA_{11}}: J1.58 U_C8.2
/Sys.~{RA_{12}}: J1.46 U_A3.10
/Sys.~{RA_{13}}: J1.48 U_A3.6
/Sys.~{RA_{14}}: J1.45 U_A3.8
/Sys.~{RA_{15}}: J1.53 U_C8.4
/Sys.~{RDIN}: J1.42 U_A2.3
/Sys.~{WTIN}: J1.43 U_A2.6
/WorkAddr_TC: U_C10.12 U_D12.9
/~{AddrCount_EN}: U_D6.6 U_D6.13 U_E14.1 U_F11.6
/~{AddrHToData}: U_A9.1 U_A9.19 U_D5.2
/~{AddrHToSys}: U_A8.19 U_A10.1 U_A10.19 U_F11.5
/~{AddrLToData}: U_A4.1 U_A4.19 U_D4.10
/~{AddrMToData}: U_A6.19 U_A7.19 U_D4.7
/~{ALU_Flags_EN}: U_E7.13 U_J9.1
/~{ALU_OE}: U_F7.40 U_F9.40 U_L6.8
/~{CCR_EN}: U_E6.7 U_M12.1
/~{ClockB_{0}}: P8.6 U_F5.11 U_H5.11 U_J5.11 U_J6.2 U_J7.27 U_K5.11 U_K7.27 U_L5.11 U_L9.27 U_M5.11
/~{ClockB_{1}}: U_F7.15 U_F9.15 U_F12.11 U_F13.9 U_J9.11 U_K10.6 U_K11.4 U_K11.5 U_M12.9
/~{ClockB_{2}}: U_C9.11 U_C11.7 U_C12.7 U_C13.11 U_D4.9 U_D5.9 U_D9.9 U_D11.9 U_D13.11 U_E5.9 U_E8.2 U_E8.4
/~{DataEndCycle}: U_A1.3 U_A3.1 U_E10.12 U_E14.3 U_E15.3
/~{DataRD_EN}: U_A11.11 U_A12.11 U_D5.15
/~{DataRDCycle}: U_A1.6 U_B11.3
/~{DataRDLatch}: U_A11.1 U_A12.1 U_B12.6 U_B15.3
/~{DataReady}: U_A3.12 U_H12.2 U_H12.3 U_H12.13
/~{DataWT_EN}: U_A11.9 U_A12.9 U_E15.8
/~{DataWTCycle}: U_A1.8 U_B11.4 U_B11.5 U_F12.3
/~{DMAInterrupt}: U_E10.8 U_F14.2 U_H14.2
/~{DMAReadEndStrobe}: U_B15.11 U_E11.6 U_M9.4
/~{DSWh_INT_OE}: U_A7.1 U_D5.7 U_M7.1
/~{F11_EN}: U_F11.14 U_K11.12
/~{FPC_SW_4}: U_L14.11 U_M7.13
/~{H14_OE}: U_A6.1 U_D5.12 U_H14.1
/~{L13A_SET}: U_K11.14 U_L13.5
/~{Level_LD}: U_D9.1 U_E6.12
/~{M13_EN}: U_K11.13 U_M13.14
/~{MainClockPhi1}: U_D7.5 U_D7.11 U_H12.5 U_H12.11 U_L11.9 U_L13.4 U_M9.3
/~{MainClockPhi3}: U_H13.13 U_K12.13
/~{MAPROM_SEL}: U_BH13.13 U_BL13.13 U_H11.9 U_L6.9 U_L6.10
/~{MemAddr_Count_EN}: U_D6.5 U_H11.10
/~{MWConst_OE}: U_D5.10 U_M6.1 U_M6.19
/~{MWROMEN}: JP3.3 U_L14.3
/~{NibbleSwap_EN}: U_C11.9 U_C11.10 U_C12.9 U_C12.10 U_H11.7
/~{P7_2}: U_L11.11 U_L14.6
/~{PTIndex_LD}: U_D11.1 U_E6.11
/~{PTRAM_OE}: U_B9.18 U_B10.18 U_E12.2
/~{PTRAM_WE}: U_B9.20 U_B10.20 U_K11.10
/~{Reg_OE}: U_D4.2 U_D13.1
/~{REGF.WE}: U_D14.20 U_D15.20 U_H13.8
/~{Reset_{1}}: U_D4.5 U_F11.15 U_J7.15 U_K7.15 U_L9.15 U_M13.15
/~{Reset_{2}}: U_A1.1 U_A1.13 U_D4.15 U_E15.1 U_E15.13 U_F12.1 U_M9.1
/~{ResetFlag}: P3.17 RN24.3 RN25.3 U_H14.6
/~{Result_LD}: U_C9.1 U_E6.14
/~{RIndex_LD}: U_C13.1 U_E6.13
/~{RT_INT}: U_F13.15 U_H13.1 U_M7.2
/~{RTC_INT_Reset}: U_M9.13 U_M13.10
/~{SEL_H_{L0}H_{L4}}: U_D2.4 U_D4.13
/~{SEL_H_{L1}H_{L5}}: U_D2.5 U_D4.3
/~{SEL_H_{L2}H_{L6}}: U_D2.6 U_D4.6
/~{SEL_H_{L3}H_{L7}}: U_D2.7 U_D4.11
/~{SEL_H_{L8}}: U_D3.15 U_D5.3
/~{SEL_H_{L9}}: U_D3.14 U_D5.4
/~{SEL_H_{L10}}: U_D3.13 U_D5.14
/~{SEL_H_{L11}}: U_D3.12 U_D5.13
/~{SEL_H_{L12}}: U_D3.11 U_D5.6
/~{SEL_H_{L13}}: U_D3.10 U_D5.11
/~{SenseSW_OE}: U_D5.5 U_M7.19 U_M14.1
/~{Swap_OE}: U_C11.1 U_C11.2 U_C12.1 U_C12.2 U_D4.12
/~{WorkAddr_Count_EN}: U_D6.14 U_H11.11
/~{WorkAddr_LD_HI}: U_B5.9 U_C5.9 U_H11.12
/~{WorkAddr_LD_LO}: U_B2.9 U_C2.9 U_K11.9
Address.A_{0}: U_A4.11 U_A5.11 U_B1.14 U_B3.2
Address.A_{1}: U_A4.13 U_A5.13 U_B1.13 U_B3.14
Address.A_{2}: U_A4.15 U_A5.15 U_B1.12 U_B3.11
Address.A_{3}: U_A4.17 U_A5.17 U_B1.11 U_B3.5
Address.A_{4}: U_A4.2 U_A5.2 U_C1.14 U_C3.2
Address.A_{5}: U_A4.4 U_A5.4 U_C1.13 U_C3.14
Address.A_{6}: U_A4.6 U_A5.6 U_C1.12 U_C3.11
Address.A_{7}: U_A4.8 U_A5.8 U_C1.11 U_C3.5
Address.A_{8}: U_A6.11 U_A8.11 U_B4.2 U_B6.14 U_C8.9
Address.A_{9}: U_A6.13 U_A8.13 U_B4.14 U_B6.13 U_C7.5
Address.A_{10}: U_A6.15 U_A8.15 U_B4.5 U_B6.12 U_C7.6
Address.A_{11}: U_A6.17 U_A8.17 U_B4.11 U_B6.11 U_B9.1 U_B10.1 U_C8.1
Address.A_{12}: U_A3.11 U_A7.17 U_B9.21 U_B10.21 U_C4.2 U_C6.14
Address.A_{13}: U_A3.5 U_A7.15 U_B9.5 U_B10.5 U_C4.14 U_C6.13
